# Altium PCB 2022_AESK_UAV.PcbDoc (continued)
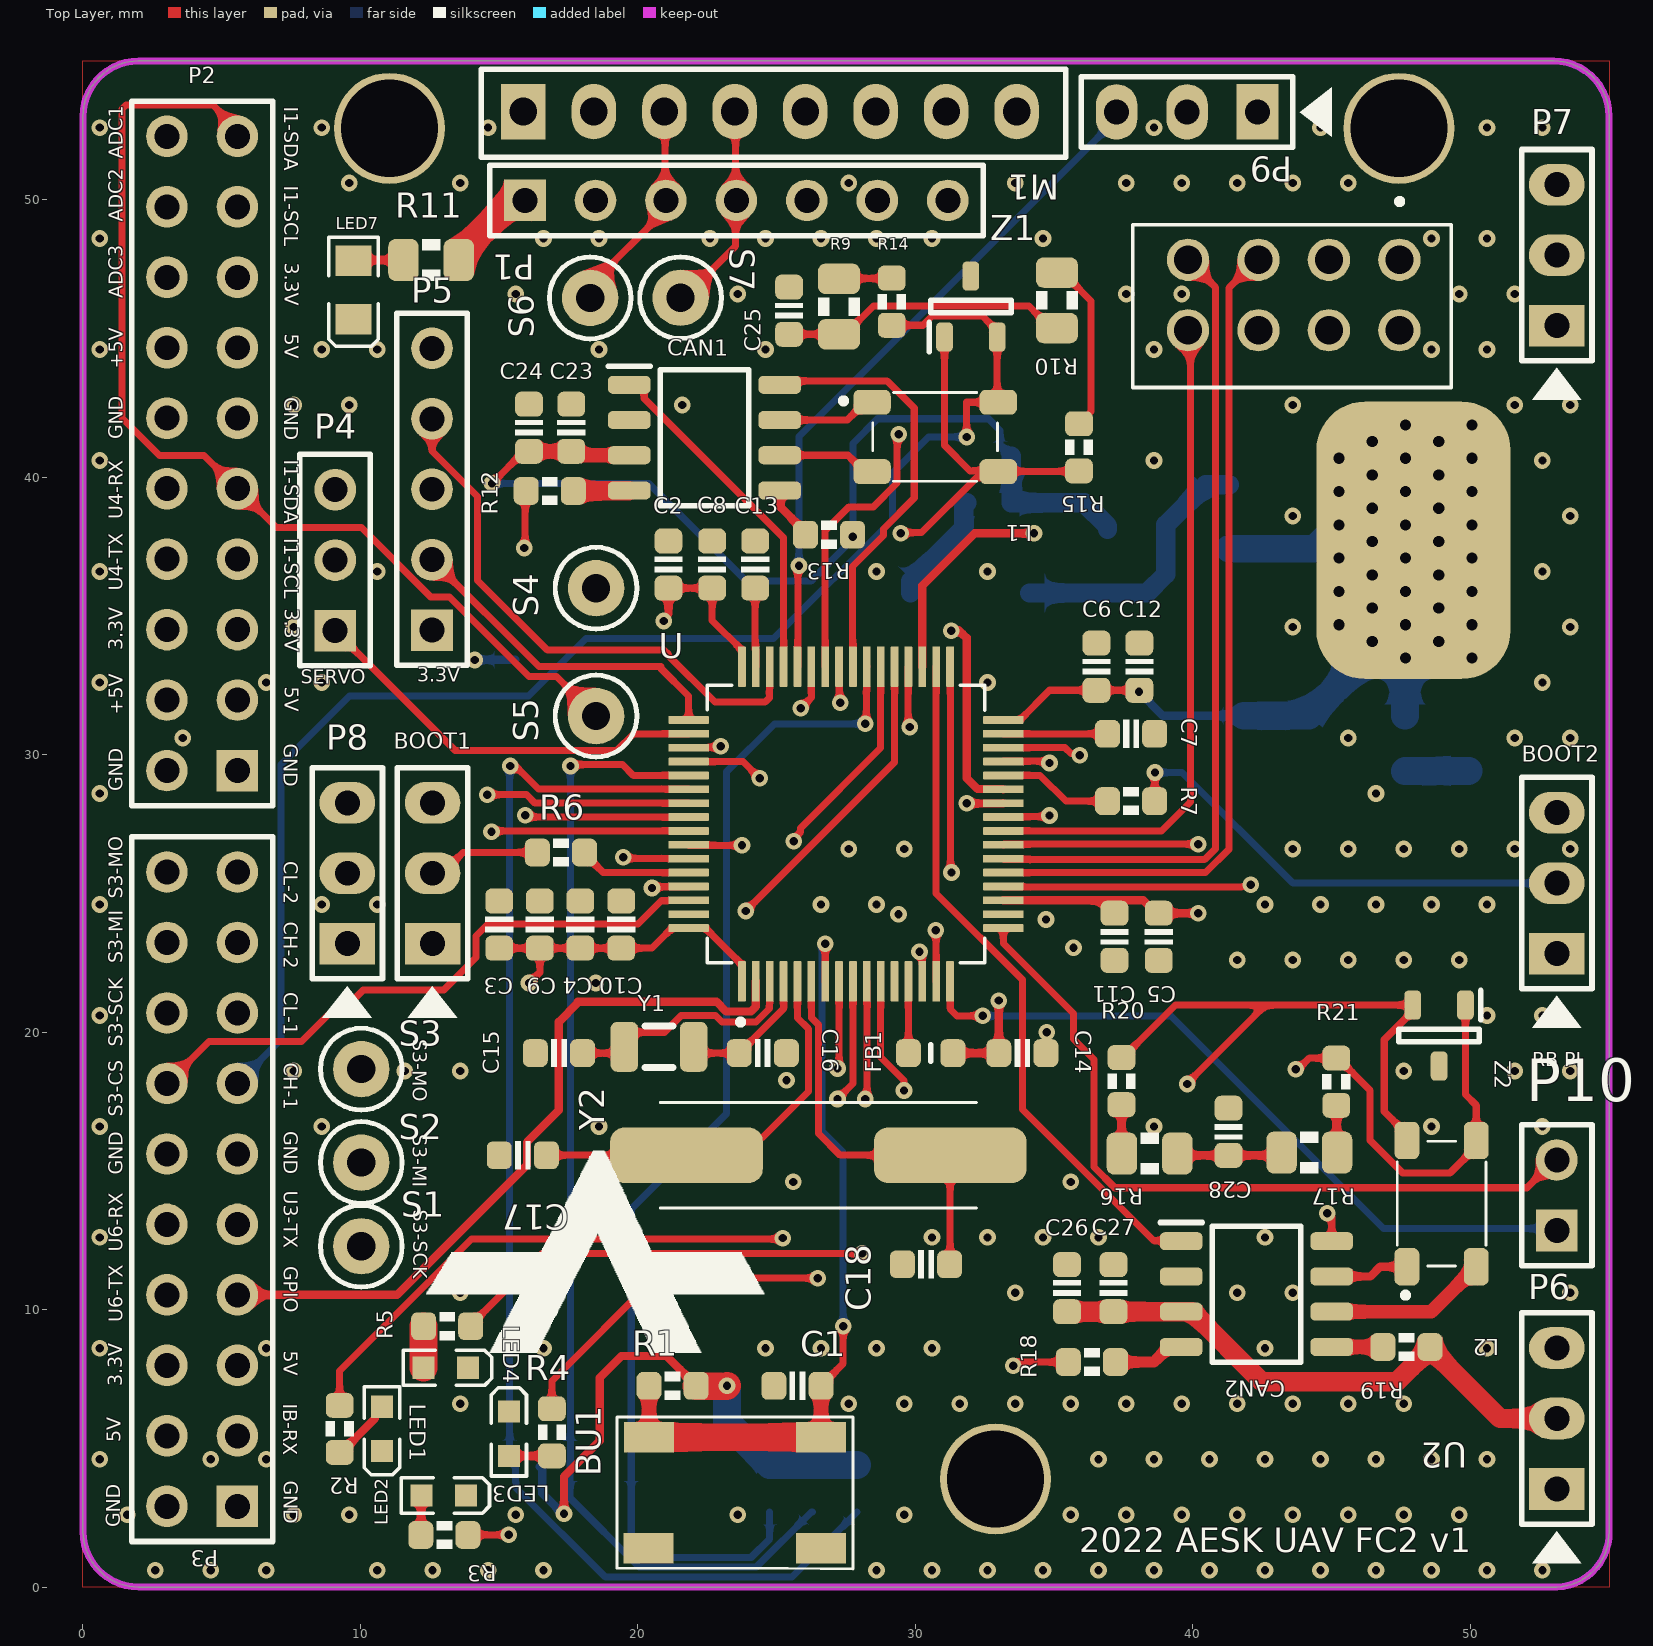
[diagram p0: Top Layer view]
## Nets (pads, with @x,y where several pads share a name; then routed paths per layer and width w, separated by ;. In a path a pad name is that pad's centre, name@x,y a point inside that pad or via, vN(x,y) a via of type N, cw(c..) or ccw(c..) an arc to the next point about the centre after c; other vN are vias at no path point) (continued)
  Layer 2 w0.3: P2.20 4.563,50.747 7.743,50.747 9.06,49.43 11.915,49.43 20.471,40.873 35.666,40.873 42.083,34.456 v1(42.083,25.314)
ADC2: P2.18 U.26 | length 45.3
  Top Layer w0.3: v1(31.851,28.246) 31.857,28.24 33.16,28.24 U.26
  Layer 2 w0.254: P2.18 3.128,49.642 4.284,49.642 5.742,48.184 12.152,48.184 20.091,40.245 30.502,40.245 31.851,38.895 v1(31.851,28.246)
ADC3: P2.16 U.27 | length 43.4
  Top Layer w0.3: v1(31.289,34.47) 31.312,34.492 31.56,34.492 31.829,34.223 31.857,34.223 31.857,29.145 32.242,28.76 33.16,28.76 U.27
  Layer 2 w0.3: P2.16 4.069,46.161 13.264,46.161 19.6,39.825 30.386,39.825 31.297,38.914 31.297,34.488 31.289,34.48 v1(31.289,34.47)
BOOT0: R6.1 U.60 | length 4.1
  Top Layer w0.254: R6.1 18.075,26.425 18.75,25.75 U.60
BOOT1: R7.1 U.28 | length 4.1
  Top Layer w0.254: U.28 34.498,29.25 35.423,28.325 R7.1
CAN1-RX: R12.1 U.61 | length 17.6
  Top Layer w0.254: v1(15.9,37.45) 15.938,37.487 15.938,39.463 R12.1 ; v1(20.51,25.196) 20.551,25.237 21.817,25.237 U.61
  Layer 1 w0.254: v1(15.9,37.45) 15.9,36.65 20.51,32.04 v1(20.51,25.196)
CAN1-TX: CAN1.1 U.45 | length 12.7
  Top Layer w0.254: CAN1.1 20.029,43.33 20.224,43.135 20.224,42.843 25.25,37.816 U.45
CAN1_STBY: CAN1.8 U.40 | length 15.6
  Top Layer w0.254: CAN1.8 25.252,43.47 28.458,43.47 28.985,43.47 29.96,42.494 29.96,39.247 28.85,38.137 28.85,37.894 27.74,36.784 27.74,33.18 U.40
CAN2-RX: R18.1 U.33 | length 28.2
  Top Layer w0.254: U.33 31.263,33.157 31.263,25.791 v1(31.304,25.75) ; v1(33.525,7.975) 33.619,7.975 33.751,8.108 R18.1
  Layer 1 w0.254: v1(31.304,25.75) 31.304,10.196 v1(33.525,7.975)
CAN2-TX: CAN2.1 U.34 | length 24.9
  Top Layer w0.254: U.34 30.75,24.992 33.856,21.886 33.856,17.216 38.588,12.485 39.56,12.485 CAN2.1
CAN2_STBY: CAN2.8 U.36 | length 33.8
  Top Layer w0.254: U.36 29.737,33.157 29.737,31.06 v1(29.801,30.996) ; v1(44.85,13.475) 44.85,13.381 45.007,13.225 CAN2.8
  Layer 1 w0.254: v1(29.801,30.996) 29.804,30.993 29.804,28.396 31.875,26.325 31.875,14.85 32.7,14.025 44.3,14.025 v1(44.85,13.475)
CANH_1: L1.4 P3.13 R14.2 Z1.2 | length 51.8
  Top Layer w0.254: R14.2 30.272,45.475 30.6,45.804 32.421,45.804 32.95,45.275 Z1.2 L1.4@32.95,42.738 ; v1(31.85,41.45) 31.85,42.7 32.912,42.7 L1.4@32.95,42.738 ; L1.4 L1.4@32.95,42.738
  Bottom Layer w0.254: P3.13 7.142,19.727 7.142,29.643 9.607,32.108 16.06,32.108 18.131,34.179 24.892,34.179 29.17,38.457 29.17,40.142 30.478,41.45 v1(31.85,41.45)
CANH_1_NF: CAN1.7 L1.1 | length 3.6
  Top Layer w0.254: CAN1.7 27.546,42.06 28.186,42.7 L1.1
CANH_2: L2.4 P3.17 R20.2 Z2.2 | length 57.3
  Top Layer w0.254: R20.2 37.478,19.083 39.37,20.975 42.614,20.975 ; v1(39.793,18.129) 39.793,18.154 42.614,20.975 ; L2.4 47.715,16.318 46.9,17.133 46.9,19.725 47.925,20.75 Z2.2 42.614,20.975
  Layer 2 w0.254: P3.17 8.433,20.362 31.09,20.362 33.298,18.154 39.769,18.154 v1(39.793,18.129)
CANH_2_NF: CAN2.7 L2.1 | length 2.9
  Top Layer w0.3: CAN2.7 46.4,11.193 46.75,11.543 L2.1
CANL_1: L1.3 P3.15 R15.2 Z1.1 | length 53
  Top Layer w0.254: v1(29.47,37.973) 29.5,38.004 30.228,38.004 32.194,39.97 32.447,39.97 32.449,39.972 L1.3@32.449,40.225 ; Z1.1 31.05,41.15 31.975,40.225 L1.3@32.449,40.225 ; L1.3@32.963,40.225 L1.3@32.449,40.225 ; L1.3 33,40.213 35.887,40.213 R15.2
  Layer 2 w0.254: P3.15 5.327,20.928 5.327,21.774 4.208,22.892 4.208,26.908 4.815,27.515 6.498,27.515 11.528,32.544 11.528,37.357 12.175,38.004 20.352,38.004 20.761,38.413 28.946,38.413 29.385,37.973 v1(29.47,37.973)
CANL_1_NF: CAN1.6 L1.2 | length 3.6
  Top Layer w0.254: CAN1.6 27.57,40.79 28.16,40.2 L1.2
CANL_2: L2.3 P3.19 R21.2 Z2.1 | length 57.4
  Top Layer w0.254: v1(43.704,18.663) 43.798,18.663 44.198,19.063 R21.2 45.223,19.063 46.394,17.891 46.394,16.098 47.562,14.93 49.277,14.93 50.215,15.868 L2.3 50.215,17.363 49.825,17.753 Z2.1
  Layer 2 w0.254: P3.19 7.162,24.173 7.162,22.136 8.52,20.778 31.336,20.778 33.43,18.683 43.684,18.683 v1(43.704,18.663)
CANL_2_NF: CAN2.6 L2.2 | length 6
  Top Layer w0.5: CAN2.6 48.595,9.923 49.79,11.118 50.015,11.118 50.215,11.318 L2.2
CE-NRF: U2.3 U.25 | length 29.4
  Top Layer w0.254: U.25 33.183,27.763 34.794,27.763 v1(34.835,27.804)
  Layer 1 w0.254: v1(34.835,27.804) 38.829,27.804 40.814,29.789 40.814,45.746 41.892,46.824 43.893,46.824 U2.3
CSN-NRF: U2.4 U.35 | length 32
  Top Layer w0.254: v1@34.275,37.958 v1(34.275,37.975)
  Top Layer w0.3: U.35 30.25,36.096 32.129,37.975 v1(34.275,37.975)
  Layer 1 w0.254: v1(34.275,37.975) 34.275,44.625 38.65,49 45.626,49 46.1,48.526 46.1,46.5 44.904,45.304 U2.4
GND: BOOT1.1 BOOT2.1 BU1.1 BU1.2 C1.1 C2.1 C3.1 C4.1 C5.1 C6.1 C7.1 C8.1 C9.1 C10.1 C11.1 C12.1 C13.1 C14.1 C15.2 C16.2 C17.2 C18.2 C19.1 C20.1 C21.1 C22.1 C23.1 C24.1 C25.1 C26.1 C27.1 C28.2 CAN1.2 CAN2.2 D2.2 J2.6 LED1.2 LED2.2 LED3.2 LED4.2 LED5.2 LED7.2 M1.2 M1.7 P1.2 P2.1 P2.2 P2.11 P2.12 P3.1 P3.2 P3.11 P3.12 P4.3 P5.3 P6.1 P7.1 P8.1 P9.1 U1.1 U2.1 U.12 U.18 U.63 Z1.3 Z2.3
  other v1: 2.6,0.6 4.6,0.6 6.6,0.6 10.6,0.6 12.6,0.6 14.6,0.6 16.6,0.6 28.6,0.6 30.6,0.6 32.6,0.6 34.6,0.6 36.6,0.6 38.6,0.6 40.6,0.6 42.6,0.6 44.6,0.6 46.6,0.6 48.6,0.6 50.6,0.6 52.6,0.6 1.6,2.6 7.6,2.6 9.6,2.6 15.6,2.6 23.6,2.6 29.6,2.6 35.6,2.6 37.6,2.6 39.6,2.6 41.6,2.6 43.6,2.6 45.6,2.6 47.6,2.6 49.6,2.6 0.6,4.6 4.6,4.6 6.6,4.6 36.6,4.6 38.6,4.6 40.6,4.6 42.6,4.6 44.6,4.6 46.6,4.6 48.6,4.6 50.6,4.6 13.6,6.6 27.6,6.6 29.6,6.6 31.6,6.6 33.6,6.6 35.6,6.6 37.6,6.6 39.6,6.6 41.6,6.6 43.6,6.6 45.6,6.6 47.6,6.6 0.6,8.6 6.6,8.6 16.6,8.6 24.6,8.6 26.6,8.6 28.6,8.6 30.6,8.6 42.6,8.6 50.6,8.6 13.6,10.6 33.6,10.6 41.6,10.6 43.6,10.6 53.6,10.6 0.6,12.6 30.6,12.6 32.6,12.6 34.6,12.6 36.6,12.6 42.6,12.6 25.6,14.6 35.6,14.6 0.6,16.6 8.6,16.6 18.6,16.6 38.6,16.6 48.6,16.6 52.6,16.6 25.355,18.262 7.6,18.6 11.6,18.6 13.6,18.6 47.6,18.6 51.6,18.6 53.6,18.6 34.738,19.993 0.6,20.6 50.6,20.6 52.6,20.6 41.6,22.6 43.6,22.6 45.6,22.6 47.6,22.6 49.6,22.6 35.702,23.037 34.706,24.059 29.39,24.25 0.6,24.6 8.6,24.6 10.6,24.6 26.6,24.6 28.6,24.6 42.6,24.6 44.6,24.6 46.6,24.6 48.6,24.6 50.6,24.6 27.6,26.6 29.6,26.6 43.6,26.6 45.6,26.6 47.6,26.6 49.6,26.6 51.6,26.6 53.6,26.6 0.6,28.6 46.6,28.6 3.6,30.6 45.6,30.6 51.6,30.6 53.6,30.6 0.6,32.6 6.6,32.6 8.6,32.6 32.6,32.6 52.6,32.6 7.6,34.6 43.6,34.6 53.6,34.6 0.6,36.6 10.6,36.6 28.6,36.6 32.6,36.6 52.6,36.6 43.6,38.6 53.6,38.6 0.6,40.6 38.6,40.6 52.6,40.6 7.6,42.6 9.6,42.6 21.6,42.6 43.6,42.6 51.6,42.6 53.6,42.6 0.6,44.6 8.6,44.6 10.6,44.6 18.6,44.6 24.6,44.6 38.6,44.6 48.6,44.6 50.6,44.6 15.6,46.6 23.6,46.6 37.6,46.6 39.6,46.6 49.6,46.6 51.6,46.6 0.6,48.6 16.6,48.6 18.6,48.6 22.6,48.6 24.6,48.6 26.6,48.6 28.6,48.6 30.6,48.6 34.6,48.6 48.6,48.6 50.6,48.6 9.6,50.6 13.6,50.6 27.6,50.6 33.6,50.6 37.6,50.6 39.6,50.6 41.6,50.6 43.6,50.6 45.6,50.6 0.6,52.6 8.6,52.6 14.6,52.6 38.6,52.6 44.6,52.6 50.6,52.6 52.6,52.6
GPIO: P3.7 U.2 | length 26.6
  Top Layer w0.3: P3.7 11.32,10.53 16.001,15.211 16.001,16.035 17.153,17.187 17.153,20.37 17.829,21.047 17.829,21.097 22.832,21.097 23.183,20.745 24.074,20.745 24.25,20.921 U.2
I2C1-SCL: P2.7 P2.17 S4.1 U.58 | length 45.8
  Top Layer w0.254: U.58 21.847,26.733 v1(23.754,26.733)
  Layer 1 w0.254: P2.7@5.439,36.919 P2.7 ; P2.17 4.292,48.472 2.629,48.472 1.909,47.753 1.909,38.752 2.436,38.225 4.385,38.225 P2.7 ; v1(23.754,26.733) 23.754,30.515 18.493,35.776 S4.1 18.493,36.042 16.285,38.249 8.946,38.249 7.741,37.045 P2.7
I2C1-SDA: P2.9 P2.19 S5.1 U.59 | length 45.4
  Top Layer w0.254: P2.19 5.565,52.532 4.681,53.415 1.557,53.415 1.408,53.266 1.408,42.128 2.753,40.783 4.367,40.783 P2.9 6.968,38.182 10.039,38.182 12.534,35.687 13.207,35.687 16.079,32.814 17.069,32.814 S5.1 ; v1(19.467,26.304) 19.508,26.263 21.817,26.263 U.59
  Layer 1 w0.254: S5.1 18.493,27.278 v1(19.467,26.304)
I2C2-SCL: M1.3 P1.3 S6.1 U.29 | length 34.2
  Top Layer w0.254: S6.1 18.28,46.908 21.01,49.638 P1.3 20.98,50.005 20.98,53.145 M1.3 ; U.29 33.183,29.763 34.768,29.763 v1(34.835,29.696)
  Layer 1 w0.254: S6.1 20.365,44.375 22.168,44.375 34.835,31.708 v1(34.835,29.696)
I2C2-SDA: M1.4 P1.4 S7.1 U.30 | length 33.1
  Top Layer w0.254: S7.1 21.661,46.466 23.52,48.325 23.52,49.945 P1.4 23.52,50.005 23.52,53.145 M1.4 ; U.30 35.397,30.25 35.606,30.041 35.863,30.041 v1(35.929,29.975)
  Layer 1 w0.254: S7.1 21.761,46.466 35.929,32.298 v1(35.929,29.975)
"ibus rx": P3.3 U.52 | length 34.5
  Top Layer w0.254: U.52 23.785,29.75 v1(24.39,29.145)
  Layer 1 w0.254: P3.3 5.754,5.45 24.44,24.136 24.44,29.095 v1(24.39,29.145)
IMU_INT: M1.8
IMU_XCL: M1.6
IMU_XDA: M1.5
IRQ-NRF: U2.8 U.24 | length 24.2
  Top Layer w0.254: U.24 38.875,27.25 39.914,28.289 39.914,45.205 U2.8
LED-1: R2.2 U.8 | length 29.3
  Top Layer w0.254: R2.2 9.25,7.786 14.004,12.54 25.182,12.54 v1(25.218,12.576) ; v1(27.196,18.686) 27.25,18.74 U.8
  Layer 1 w0.254: v1(25.218,12.576) 25.254,12.576 26.331,13.653 26.331,17.741 27.196,18.607 v1(27.196,18.686)
LED-2: R3.2 U.9 | length 26.8
  Top Layer w0.254: R3.2 13.881,1.881 15.344,1.881 v1(15.35,1.888) ; v1(27.196,17.59) 27.75,18.144 U.9
  Layer 1 w0.254: v1(15.35,1.888) 15.355,1.892 15.8,1.892 24.083,10.175 27.196,13.288 v1(27.196,17.59)
LED-3: R4.2 U.10 | length 23.6
  Top Layer w0.254: R4.2 16.9,7.423 20.608,11.131 v1(26.477,11.131) ; v1(28.196,17.59) 28.262,17.656 28.262,21.818 U.10
  Layer 1 w0.254: v1(26.477,11.131) 26.477,11.193 27.89,12.607 27.89,17.284 v1(28.196,17.59)
LED-4: R5.2 U.11 | length 26
  Top Layer w0.254: R5.2 13.975,9.45 16.547,12.022 v1(28.089,12.022) ; U.11 28.75,19.101 29.589,18.262 v1(29.589,17.896)
  Layer 1 w0.254: v1(28.089,12.022) 29.589,13.522 v1(29.589,17.896)
MISO-NRF: U2.7 U.22 | length 29.5
  Top Layer w0.254: U.22 33.199,26.221 40.428,26.221 40.814,26.607 40.814,46.844 U2.7
MOSI-NRF: U2.6 U.23 | length 26.5
  Top Layer w0.254: U.23 33.195,26.775 v1(40.199,26.775)
  Layer 1 w0.254: v1(40.199,26.775) 42.364,28.94 U2.6
motor-1: P6.3 U.41 | length 36.8
  Top Layer w0.254: U.41 27.263,33.157 27.263,31.899 v1(27.29,31.872)
  Layer 1 w0.254: v1(27.29,31.872) 29.712,31.872 52.971,8.612 P6.3
motor-2: P7.3 U.42 | length 37.4
  Top Layer w0.254: U.42 26.75,38.076 27.605,38.932 28.486,38.932 29.342,39.787 29.342,41.478 v1(29.406,41.543)
  Layer 1 w0.254: v1(29.406,41.543) 37.822,49.959 49.666,49.959 50.247,50.54 P7.3
motor-3: P8.3 U.43 | length 20.3
  Top Layer w0.254: v1(25.874,31.676) 25.874,31.678 26.25,32.054 U.43
  Layer 2 w0.254: P8.3 9.775,28.265 14.257,32.747 24.791,32.747 25.862,31.676 v1(25.874,31.676)
motor-4: P9.3 U.44 | length 24.8
  Top Layer w0.254: U.44 25.763,33.183 25.763,36.763 v1(25.804,36.804)
  Bottom Layer w0.254: v1(25.804,36.804) 25.804,41.466 37.253,52.915 P9.3
MS5611_SD0: P1.6
NetBOOT1_2: BOOT1.2 R6.2 | length 4.1
  Top Layer w0.254: BOOT1.2 12.949,25.725 13.699,26.475 R6.2
NetBOOT2_2: BOOT2.2 R7.2 | length 17.2
  Top Layer w0.254: R7.2 38.631,28.331 38.631,29.349 v1(38.636,29.355)
  Bottom Layer w0.254: v1(38.636,29.355) 39.616,29.355 43.603,25.368 BOOT2.2
NetC25_2: C25.2 R9.1 R10.1 | length 10.4
  Top Layer w0.254: C25.2 R9.1 27.46,45.15 28.485,46.175 34.09,46.175 34.89,45.375 R10.1
NetC28_1: C28.1 R16.1 R17.1 | length 3.8
  Top Layer w0.3: R16.1 39.502,15.558 C28.1 43.098,15.558 R17.1
NetCAN1_4: CAN1.4 R12.2 | length 2
  Top Layer w0.7: R12.2 17.685,39.51 19.678,39.51 CAN1.4
NetCAN1_5: CAN1.5 R13.2 | length 2
  Top Layer w0.3: CAN1.5 25.135,39.497 25.135,38.921 26.04,38.016 R13.2
NetCAN2_4: CAN2.4 R18.2 | length 2.6
  Top Layer w0.4: R18.2 38.6,8.108 39.145,8.653 CAN2.4
NetCAN2_5: CAN2.5 R19.2 | length 1.8
  Top Layer w0.5: CAN2.5 45.008,8.651 46.849,8.651 R19.2
NetD1_1: D1.1 U1.3 | length 9.8
  Bottom Layer w0.7: D1.1 38.35,35.825 39.025,36.5 39.025,38.278 40.467,39.72 U1.3
NetD1_2: D1.2 FB2.1 | length 4.1
  Bottom Layer w0.7: D1.2 29.825,36.25 31.75,38.175 31.75,38.975 FB2.1
NetLED1_1: LED1.1 R2.1 | length 2.3
  Top Layer w0.3: R2.1 9.3,4.85 10.525,6.075 10.525,6.25 LED1.1
NetLED2_1: LED2.1 R3.1 | length 1.4
  Top Layer w0.3: R3.1 12.188,1.888 12.188,3.287 LED2.1
NetLED3_1: LED3.1 R4.1 | length 1.5
  Top Layer w0.3: LED3.1 R4.1
NetLED4_1: LED4.1 R5.1 | length 1.5
  Top Layer w1: LED4.1 R5.1
NetLED5_1: LED5.1 R8.1 | length 2.3
  Bottom Layer w1: R8.1 47.657,29.409 49.94,29.409 LED5.1
NetLED7_1: LED7.1 R11.1 | length 1.8
  Top Layer w0.3: LED7.1 9.775,47.825 R11.1
NetR9_2: R9.2 R14.1 | length 1.9
  Top Layer w0.254: R9.2 27.262,47.162 29.138,47.162 R14.1
NetR10_2: R10.2 R15.1 | length 6.3
  Top Layer w0.254: R10.2 35.31,47.375 36.334,46.351 36.334,42.362 35.9,41.928 R15.1
NetR16_2: R16.2 R20.1 | length 1.8
  Top Layer w0.3: R20.1 37.434,17.376 37.434,15.626 R16.2
NetR17_2: R17.2 R21.1 | length 1.7
  Top Layer w0.3: R21.1 45.185,17.35 45.185,15.67 R17.2
NRST: BU1.3 BU1.4 C1.2 P5.5 R1.2 U.7 | length 55.2
  Top Layer w0.254: C1.2 27.4,8.05 v1(27.4,9.395) ; U.7 v1(26.75,23.182)
  Top Layer w0.5: BU1.4 R1.2 ; BU1.3 C1.2
  Top Layer w1: BU1.4 BU1.3
  Layer 1 w0.254: P5.5 25.061,32.164 25.061,25.072 26.75,23.383 v1(26.75,23.182)
  Bottom Layer w0.254: v1(26.75,23.182) 26.642,23.074 26.642,16.423 27.4,15.665 v1(27.4,9.395)
SCK-NRF: U2.5 U.21 | length 30.2
  Top Layer w0.254: U.21 40.46,25.75 41.3,26.59 41.3,46.825 42.309,47.834 U2.5
SDIO_CK: J2.5 R26.2 U.53 | length 41.4
  Top Layer w0.254: v1(17.569,29.591) 17.623,29.645 19.439,29.645 19.834,29.25 U.53
  Bottom Layer w0.254: v1(17.569,29.591) 17.565,29.587 17.565,4.545 J2.5 17.56,3.2 20.044,0.716 24.266,0.716 26.25,2.7 R26.2
SDIO_CMD: J2.3 R24.2 U.54 | length 47.5
  Top Layer w0.254: v1(15.399,29.591) 15.585,29.591 16.414,28.763 21.817,28.763 U.54
  Bottom Layer w0.254: v1(15.399,29.591) 15.379,29.572 15.379,4.559 J2.3 15.588,4.312 15.588,3.793 15.613,3.768 15.613,3.572 18.825,0.36 25.56,0.36 R24.2
SDIO_D0: J2.7 R25.2 U.39 | length 43.5
  Top Layer w0.254: v1(28.196,31.11) 28.237,31.151 28.237,33.157 U.39
  Bottom Layer w0.254: R25.2 24.75,1.734 24.087,1.071 20.191,1.071 19.76,1.503 J2.7 19.76,13.627 23.2,17.067 23.2,29.387 24.923,31.11 v1(28.196,31.11)
servo: P4.1 U.50 | length 14.8
  Top Layer w0.254: P4.1 13.415,30.145 19.235,30.145 19.84,30.75 U.50
SPI3-CS: P3.14 U.62 | length 22
  Top Layer w0.254: P3.14 4.537,19.662 7.878,19.662 8.906,20.69 9.275,20.69 10.1,21.515 13.003,21.515 14.171,22.683 14.171,23.465 14.596,23.89 20.01,23.89 20.857,24.737 21.817,24.737 U.62
SPI3-MISO: P3.18 S2.1 U.56 | length 36.9
  Top Layer w0.254: v1(15.939,27.815) 16.004,27.75 U.56
  Layer 1 w0.254: S2.1 8.028,15.297 6.242,17.084 4.721,17.084 4.004,17.802 4.004,21.095 3.025,22.074 P3.18 3.025,24.382 2.046,25.361 2.046,26.52 2.775,27.249 13.218,27.249 13.784,27.815 v1(15.939,27.815)
SPI3-MOSI: P3.20 S3.1 U.57 | length 30.4
  Top Layer w0.254: v1(14.725,27.218) 14.757,27.25 U.57
  Layer 1 w0.254: S3.1 7.872,20.823 7.872,22.537 6.055,24.355 4.44,24.355 P3.20 4.004,26.749 14.255,26.749 v1(14.725,27.218)
SPI3-SCK: P3.16 S1.1 U.55 | length 47
  Top Layer w0.254: v1(14.566,28.559) 15.978,28.559 16.287,28.25 U.55
  Layer 1 w0.254: P3.16 1.686,19.351 ; S1.1 9.839,12.091 1.835,12.091 1.686,12.24 1.686,19.351 ; v1(14.566,28.559) 13.217,29.907 8.652,29.907 6.459,27.714 2.658,27.714 1.686,26.742 1.686,19.351
SWCLK: P5.2 U.49 | length 12.2
  Top Layer w0.254: P5.2 16.435,33.17 20.825,33.17 20.825,33.113 21.83,32.108 U.49
SWDIO: P5.4 U.46 | length 20
  Top Layer w0.254: P5.4 12.58,40.949 14.225,39.304 14.225,36.275 16.735,33.765 20.946,33.765 21.095,33.616 21.095,33.578 22.773,31.9 24.588,31.9 24.737,32.049 24.737,33.157 U.46
UART4-RX: P2.10 U.15 | length 46.3
  Top Layer w0.254: v1(30.73,23.673) 30.75,23.653 U.15
  Layer 2 w0.254: P2.10 4.445,41.005 17.675,41.005 19.306,39.374 30.302,39.374 30.735,38.94 30.735,23.678 v1(30.73,23.673)
UART4-TX: P2.8 U.14 | length 47.5
  Top Layer w0.254: v1(30.151,22.901) 30.25,22.802 U.14
  Layer 2 w0.254: P2.8 4.212,38.232 4.212,39.615 5.16,40.564 12.965,40.564 13,40.529 17.452,40.529 19.098,38.883 30.231,38.883 30.38,38.734 30.38,34.566 30.302,34.488 30.355,34.435 30.355,24.923 30.151,24.719 v1(30.151,22.901)
USART2-RX: P10.2 U.17 | length 27.4
  Top Layer w0.254: U.17 33.17,23.197 35.702,20.665 35.702,19.756 36.443,19.015 36.443,15.132 37.185,14.391 52.048,14.391 P10.2@53.118,15.46
USART2-TX: P10.1 U.16 | length 26.1
  Top Layer w0.254: U.16 31.263,21.817 31.263,20.821 31.499,20.585 v1(32.429,20.585)
  Bottom Layer w0.254: v1(32.429,20.585) 32.435,20.585 32.438,20.582 39.207,20.582 46.869,12.92 P10.1@53.118,12.92
USART3-TX: P3.9 U.51 | length 29.7
  Top Layer w0.254: U.51 21.843,30.263 22.949,30.263 v1(22.99,30.304)
  Layer 1 w0.254: P3.9 5.565,12.714 5.565,12.733 6.5,13.668 12.231,13.668 22.99,24.426 v1(22.99,30.304)
USART6-RX: P3.10 U.38 | length 35.9
  Top Layer w0.254: v1(25.615,26.878) 25.615,26.971 25.864,27.22 25.864,27.347 28.75,30.233 U.38
  Layer 1 w0.254: P3.10 4.004,14.049 10.764,14.049 v1(18.483,21.767)
  Layer 2 w0.254: v1(18.483,21.767) 20.284,21.767 25.328,26.811 25.549,26.811 v1(25.615,26.878)
USART6-TX: P3.8 U.37 | length 38.4
  Top Layer w0.254: v1(23.886,24.365) 29.247,29.726 29.247,31.225 29.25,31.228 U.37
  Layer 1 w0.254: P3.8 4.177,10.53 5.156,9.551 9.059,9.551 23.873,24.365 v1(23.886,24.365)
Vcap1: C7.2 U.31 | length 3.8
  Top Layer w0.254: U.31 C7.2
Vcap2: C13.2 U.47 | length 2.8
  Top Layer w0.254: C13.2 24.225,33.79 24.25,33.765 U.47
VDDA: FB1.1 U.13 | length 2.6
  Top Layer w0.254: FB1.1 U.13
pads on no net: J2.1 J2.2 J2.8 J2.9 J2.10 J2.11 J2.12 J2.13

## Polygon pours and split planes (outlines as drawn)
GND on Bottom Layer "NONET_L-01_P-001" (solid, shelved, pour order 3): 0,0.292 0,54.76 54.76,54.76 55,55 55,0 0,0
+5V on Layer 2 "NONET_L-01_P-001" (solid, shelved, pour order 2): 0,0 0,55 55,55 54.809,54.809 54.809,0 0,0
GND on Top Layer "NONET_L-01_P-001" (solid, shelved, pour order 1): 0,0 0,55 55,55 55,0 0,0
+3.3V on Layer 1 "NONET_L-01_P-001" (solid, shelved, pour order 0): 0,0 0,55 55,55 55,0 0,0

## Keep-outs
Keep-Out Layer:
  the board outline again, w0.254

## Silkscreen, mask and mechanical layers (free items; w line width, h text height)
Top Overlay:
  region: 1034 vertices and 0 holes, not listed, extent 12.365,8.445 24.548,15.721
  text "I1-SDA" at 7.094,53.35 h0.85 r270
  text "ADC1" at 1.591,51.475 h0.85 r90
  text "I1-SCL" at 7.094,50.495 h0.85 r270
  text "ADC2" at 1.591,49.215 h0.85 r90
  text "3.3V" at 7.101,47.735 h0.85 r270
  text "ADC3" at 1.591,46.455 h0.85 r90
  text "5V" at 7.103,45.175 h0.85 r270
  text "+5V" at 1.591,43.915 h0.85 r90
  text "GND" at 7.094,42.875 h0.85 r270
  text "GND" at 1.591,41.375 h0.85 r90
  text "I1-SDA" at 7.094,40.63 h0.85 r270
  text "U4-RX" at 1.591,38.475 h0.85 r90
  text "I1-SCL" at 7.094,37.795 h0.85 r270
  text "U4-TX" at 1.591,35.9 h0.85 r90
  text "3.3V" at 7.101,35.261 h0.85 r270
  text "3.3V" at 1.591,33.755 h0.85 r90
  text "5V" at 7.103,32.45 h0.85 r270
  text "3.3V" at 12.05,32.46 h0.85
  text "SERVO" at 7.85,32.384 h0.85
  text "+5V" at 1.591,31.435 h0.85 r90
  text "GND" at 7.065,30.387 h0.85 r270
  text "GND" at 1.591,28.675 h0.85 r90
  text "CL-2" at 7.065,26.15 h0.85 r270
  text "S3-MO" at 1.591,24.8 h0.85 r90
  text "CH-2" at 7.065,23.98 h0.85 r270
  text "S3-MI" at 1.591,22.48 h0.85 r90
  text "CL-1" at 7.065,21.44 h0.85 r270
  text "S3-MO" at 11.716,19.742 h0.85 r270
  text "S3-SCK" at 1.591,19.475 h0.85 r90
  text "CH-1" at 7.065,18.9 h0.85 r270
  text "RB PI" at 52.225,18.6 h0.85
  text "S3-CS" at 1.591,16.95 h0.85 r90
  text "GND" at 7.065,16.425 h0.85 r270
  text "S3-MI" at 11.726,16.313 h0.85 r270
  text "GND" at 1.591,14.86 h0.85 r90
  text "U3-TX" at 7.065,14.281 h0.85 r270
  text "S3-SCK" at 11.735,13.603 h0.85 r270
  text "U6-RX" at 1.591,12.075 h0.85 r90
  text "GPIO" at 7.065,11.564 h0.85 r270
  text "U6-TX" at 1.591,9.55 h0.85 r90
  text "5V" at 7.065,8.52 h0.85 r270
  text "3.3V" at 1.581,7.24 h0.85 r90
  text "IB-RX" at 7.055,6.603 h0.85 r270
  text "5V" at 1.516,5.225 h0.85 r90
  text "GND" at 7.065,3.822 h0.85 r270
  text "GND" at 1.506,2.16 h0.85 r90
  text "2022 AESK UAV FC2 v1" at 35.899,0.967 h1.5
Bottom Overlay:
  drawing of 2 lines, arcs and shapes, not listed
  text "2022 AESK UAV FC2 v1" at 50.602,10.278 h2.5
  text "Designed by:" at 47.6,4.976 h2
  text "Fatih CAN" at 47.6,2.747 h2
  text "27.12.2021" at 47.602,0.622 h2